# EAGLE board Mk4 Final Panel 8up 4x2 (EAGLE 9.0.1), part 21 of 23 (continued)
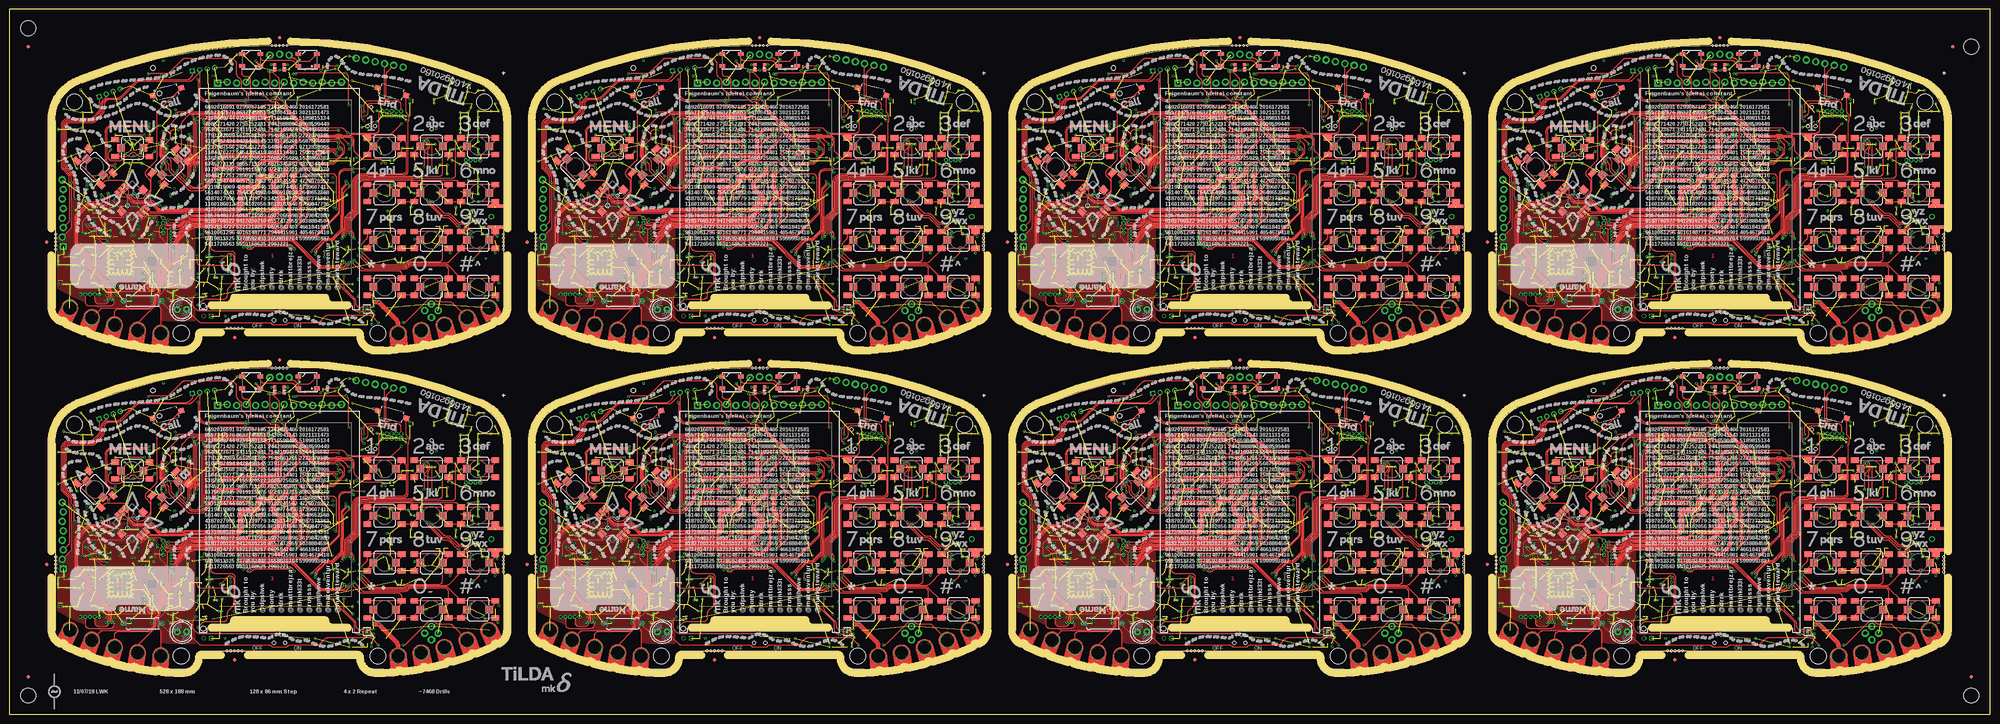
[diagram p0: board, top side]
## Tracks (layer width: path | path; a pad name or v marks a point on that pad's centre or on a via) (continued)
  Bottom 0.15: IC65.55 162.35,121.25 arc-90 163.35,120.25 163.35,118.35 arc45 163.41,118.21 163.47,118.15 arc-45 163.53,118.01 163.53,117.97 v163.75,117.75 R302.1 | IC56.116 203,149.6 arc90 202,148.6 v202,146.5
UART3_CC_RX4  (via drill 0.3)
  Top 0.15: v291.75,31.75 292.46,31.04 arc-45 292.75,30.34 292.75,28.25 arc90 293.75,27.25 293.8,27.25 arc90 294.8,28.25 arc-45 295.24,29.31 295.51,29.58 arc45 295.8,30.29 295.8,31.95 arc-45 296.31,33.19 297.66,34.53 arc45 297.95,35.24 297.95,39.14 arc45 297.66,39.84 296.29,41.21 arc-45 296,41.91 296,43.63 arc-45 296.29,44.33 JP43.3 297.04,45.04 297.48,44.59 arc45 298.19,44.3 300.94,44.3 arc45 301.82,44.67 302.68,45.52 arc-45 304.8,46.4 325.01,46.4 arc45 325.9,46.77 328.11,48.98 arc45 328.4,49.68 328.4,50.19 arc-45 328.55,50.55 328.75,50.75 arc45 328.9,51.11 328.9,51.98 arc45 328.53,52.87 327.1,54.3 arc-90 327.1,55.71 329.45,58.06 arc45 329.6,58.42 329.6,58.43 arc-45 329.75,58.78 arc45 329.82,58.97 329.82,60.12 arc-45 329.97,60.47 v330,60.5
  Bottom 0.15: IC83.55 290.35,35.25 arc-90 291.35,34.25 291.35,32.35 arc45 291.41,32.21 291.47,32.15 arc-45 291.52,32.01 291.52,31.98 v291.75,31.75 R380.1 | IC74.116 331,63.6 arc90 330,62.6 v330,60.5
UART3_CC_RX5  (via drill 0.3)
  Top 0.15: v419.75,31.75 420.46,31.04 arc-45 420.75,30.34 420.75,28.25 arc90 421.75,27.25 421.8,27.25 arc90 422.8,28.25 arc-45 423.24,29.31 423.51,29.58 arc45 423.8,30.29 423.8,31.95 arc-45 424.31,33.19 425.66,34.53 arc45 425.95,35.24 425.95,39.14 arc45 425.66,39.84 424.29,41.21 arc-45 424,41.91 424,43.63 arc-45 424.29,44.33 JP52.3 425.04,45.04 425.48,44.59 arc45 426.19,44.3 428.94,44.3 arc45 429.82,44.67 430.68,45.52 arc-45 432.8,46.4 453.01,46.4 arc45 453.9,46.77 456.11,48.98 arc45 456.4,49.68 456.4,50.19 arc-45 456.55,50.55 456.75,50.75 arc45 456.9,51.11 456.9,51.98 arc45 456.53,52.87 455.1,54.3 arc-90 455.1,55.71 457.45,58.06 arc45 457.6,58.42 457.6,58.43 arc-45 457.75,58.78 arc45 457.82,58.97 457.82,60.12 arc-45 457.97,60.47 v458,60.5
  Bottom 0.15: IC101.55 418.35,35.25 arc-90 419.35,34.25 419.35,32.35 arc45 419.41,32.21 419.47,32.15 arc-45 419.52,32.01 419.52,31.98 v419.75,31.75 R458.1 | IC92.116 459,63.6 arc90 458,62.6 v458,60.5
UART3_CC_RX6  (via drill 0.3)
  Top 0.15: v291.75,117.75 292.46,117.04 arc-45 292.75,116.34 292.75,114.25 arc90 293.75,113.25 293.8,113.25 arc90 294.8,114.25 arc-45 295.24,115.31 295.51,115.58 arc45 295.8,116.29 295.8,117.95 arc-45 296.31,119.19 297.66,120.53 arc45 297.95,121.24 297.95,125.14 arc45 297.66,125.84 296.29,127.21 arc-45 296,127.91 296,129.63 arc-45 296.29,130.33 JP61.3 297.04,131.04 297.48,130.59 arc45 298.19,130.3 300.94,130.3 arc45 301.82,130.67 302.68,131.52 arc-45 304.8,132.4 325.01,132.4 arc45 325.9,132.77 328.11,134.98 arc45 328.4,135.68 328.4,136.19 arc-45 328.55,136.55 328.75,136.75 arc45 328.9,137.11 328.9,137.98 arc45 328.53,138.87 327.1,140.3 arc-90 327.1,141.71 329.45,144.06 arc45 329.6,144.42 329.6,144.43 arc-45 329.75,144.78 arc45 329.82,144.97 329.82,146.12 arc-45 329.97,146.47 v330,146.5
  Bottom 0.15: IC119.55 290.35,121.25 arc-90 291.35,120.25 291.35,118.35 arc45 291.41,118.21 291.47,118.15 arc-45 291.52,118.01 291.52,117.97 v291.75,117.75 R536.1 | IC110.116 331,149.6 arc90 330,148.6 v330,146.5
UART3_CC_RX7  (via drill 0.3)
  Top 0.15: v419.75,117.75 420.46,117.04 arc-45 420.75,116.34 420.75,114.25 arc90 421.75,113.25 421.8,113.25 arc90 422.8,114.25 arc-45 423.24,115.31 423.51,115.58 arc45 423.8,116.29 423.8,117.95 arc-45 424.31,119.19 425.66,120.53 arc45 425.95,121.24 425.95,125.14 arc45 425.66,125.84 424.29,127.21 arc-45 424,127.91 424,129.63 arc-45 424.29,130.33 JP70.3 425.04,131.04 425.48,130.59 arc45 426.19,130.3 428.94,130.3 arc45 429.82,130.67 430.68,131.52 arc-45 432.8,132.4 453.01,132.4 arc45 453.9,132.77 456.11,134.98 arc45 456.4,135.68 456.4,136.19 arc-45 456.55,136.55 456.75,136.75 arc45 456.9,137.11 456.9,137.98 arc45 456.53,138.87 455.1,140.3 arc-90 455.1,141.71 457.45,144.06 arc45 457.6,144.42 457.6,144.43 arc-45 457.75,144.78 arc45 457.82,144.97 457.82,146.12 arc-45 457.97,146.47 v458,146.5
  Bottom 0.15: IC137.55 418.35,121.25 arc-90 419.35,120.25 419.35,118.35 arc45 419.41,118.21 419.47,118.15 arc-45 419.52,118.01 419.52,117.97 v419.75,117.75 R614.1 | IC128.116 459,149.6 arc90 458,148.6 v458,146.5
UART3_CC_TX  (via drill 0.3)
  Top 0.15: v35.75,29.75 36.45,29.05 36.45,28.2 arc90 37.7,26.95 37.85,26.95 arc90 39.1,28.2 arc-45 39.49,29.14 39.73,29.38 arc45 40.1,30.27 40.1,31.62 arc-45 40.76,33.21 41.88,34.33 arc45 42.25,35.22 42.25,43.25 | 42.25,43.25 42.71,43.71 arc-45 43.41,44 44.96,44 arc45 46.02,44.44 46.88,45.3 arc-45 48.82,46.1 69.03,46.1 arc45 70.09,46.54 72.41,48.85 arc45 72.7,49.56 72.7,50.02 arc-45 72.85,50.37 73.05,50.58 arc45 73.2,50.93 73.2,57.09 arc-45 73.41,57.59 73.75,57.94 arc45 73.9,58.29 73.9,58.3 arc-45 74.05,58.66 arc45 74.12,58.84 74.12,59.67 arc-45 74.27,60.02 v74.75,60.5 | JP5.2 41.32,43.77 arc-45 42.02,43.48 42.25,43.25
  Bottom 0.15: IC15.57 arc-90 34.65,33.55 34.65,32.06 arc45 34.71,31.92 34.77,31.86 arc-45 34.83,31.72 34.83,31.09 arc45 35.12,30.38 v35.75,29.75 R69.1 | v74.75,60.5 74.75,62.27 arc-90 75.75,63.27 77.62,63.27 77.69,63.2 IC1.117
UART3_CC_TX1  (via drill 0.3)
  Top 0.15: v163.75,29.75 164.45,29.05 164.45,28.2 arc90 165.7,26.95 165.85,26.95 arc90 167.1,28.2 arc-45 167.49,29.14 167.73,29.38 arc45 168.1,30.27 168.1,31.62 arc-45 168.76,33.21 169.88,34.33 arc45 170.25,35.22 170.25,43.25 | 170.25,43.25 170.71,43.71 arc-45 171.41,44 172.96,44 arc45 174.02,44.44 174.88,45.3 arc-45 176.82,46.1 197.03,46.1 arc45 198.09,46.54 200.41,48.85 arc45 200.7,49.56 200.7,50.02 arc-45 200.85,50.37 201.05,50.58 arc45 201.2,50.93 201.2,57.09 arc-45 201.41,57.59 201.75,57.94 arc45 201.9,58.29 201.9,58.3 arc-45 202.05,58.66 arc45 202.12,58.84 202.12,59.67 arc-45 202.27,60.02 v202.75,60.5 | JP16.2 169.32,43.77 arc-45 170.02,43.48 170.25,43.25
  Bottom 0.15: IC29.57 arc-90 162.65,33.55 162.65,32.06 arc45 162.71,31.92 162.77,31.86 arc-45 162.82,31.72 162.82,31.09 arc45 163.12,30.38 v163.75,29.75 R147.1 | v202.75,60.5 202.75,62.27 arc-90 203.75,63.27 205.62,63.27 205.69,63.2 IC20.117
UART3_CC_TX2  (via drill 0.3)
  Top 0.15: v35.75,115.75 36.45,115.05 36.45,114.2 arc90 37.7,112.95 37.85,112.95 arc90 39.1,114.2 arc-45 39.49,115.14 39.73,115.38 arc45 40.1,116.27 40.1,117.62 arc-45 40.76,119.21 41.88,120.33 arc45 42.25,121.22 42.25,129.25 | 42.25,129.25 42.71,129.71 arc-45 43.41,130 44.96,130 arc45 46.02,130.44 46.88,131.3 arc-45 48.82,132.1 69.03,132.1 arc45 70.09,132.54 72.41,134.85 arc45 72.7,135.56 72.7,136.02 arc-45 72.85,136.37 73.05,136.58 arc45 73.2,136.93 73.2,143.09 arc-45 73.41,143.59 73.75,143.94 arc45 73.9,144.29 73.9,144.3 arc-45 74.05,144.66 arc45 74.12,144.84 74.12,145.67 arc-45 74.27,146.02 v74.75,146.5 | JP25.2 41.32,129.77 arc-45 42.02,129.48 42.25,129.25
  Bottom 0.15: IC47.57 arc-90 34.65,119.55 34.65,118.06 arc45 34.71,117.92 34.77,117.86 arc-45 34.83,117.72 34.83,117.09 arc45 35.12,116.38 v35.75,115.75 R225.1 | v74.75,146.5 74.75,148.28 arc-90 75.75,149.28 77.62,149.28 77.69,149.2 IC38.117
UART3_CC_TX3  (via drill 0.3)
  Top 0.15: v163.75,115.75 164.45,115.05 164.45,114.2 arc90 165.7,112.95 165.85,112.95 arc90 167.1,114.2 arc-45 167.49,115.14 167.73,115.38 arc45 168.1,116.27 168.1,117.62 arc-45 168.76,119.21 169.88,120.33 arc45 170.25,121.22 170.25,129.25 | 170.25,129.25 170.71,129.71 arc-45 171.41,130 172.96,130 arc45 174.02,130.44 174.88,131.3 arc-45 176.82,132.1 197.03,132.1 arc45 198.09,132.54 200.41,134.85 arc45 200.7,135.56 200.7,136.02 arc-45 200.85,136.37 201.05,136.58 arc45 201.2,136.93 201.2,143.09 arc-45 201.41,143.59 201.75,143.94 arc45 201.9,144.29 201.9,144.3 arc-45 202.05,144.66 arc45 202.12,144.84 202.12,145.67 arc-45 202.27,146.02 v202.75,146.5 | JP34.2 169.32,129.77 arc-45 170.02,129.48 170.25,129.25
  Bottom 0.15: IC65.57 arc-90 162.65,119.55 162.65,118.06 arc45 162.71,117.92 162.77,117.86 arc-45 162.82,117.72 162.82,117.09 arc45 163.12,116.38 v163.75,115.75 R303.1 | v202.75,146.5 202.75,148.28 arc-90 203.75,149.28 205.62,149.28 205.69,149.2 IC56.117
UART3_CC_TX4  (via drill 0.3)
  Top 0.15: v291.75,29.75 292.45,29.05 292.45,28.2 arc90 293.7,26.95 293.85,26.95 arc90 295.1,28.2 arc-45 295.49,29.14 295.73,29.38 arc45 296.1,30.27 296.1,31.62 arc-45 296.76,33.21 297.88,34.33 arc45 298.25,35.22 298.25,43.25 | 298.25,43.25 298.71,43.71 arc-45 299.41,44 300.96,44 arc45 302.02,44.44 302.88,45.3 arc-45 304.82,46.1 325.03,46.1 arc45 326.09,46.54 328.41,48.85 arc45 328.7,49.56 328.7,50.02 arc-45 328.85,50.37 329.05,50.58 arc45 329.2,50.93 329.2,57.09 arc-45 329.41,57.59 329.75,57.94 arc45 329.9,58.29 329.9,58.3 arc-45 330.05,58.66 arc45 330.12,58.84 330.12,59.67 arc-45 330.27,60.02 v330.75,60.5 | JP43.2 297.32,43.77 arc-45 298.02,43.48 298.25,43.25
  Bottom 0.15: IC83.57 arc-90 290.65,33.55 290.65,32.06 arc45 290.71,31.92 290.77,31.86 arc-45 290.82,31.72 290.82,31.09 arc45 291.12,30.38 v291.75,29.75 R381.1 | v330.75,60.5 330.75,62.27 arc-90 331.75,63.27 333.62,63.27 333.69,63.2 IC74.117
UART3_CC_TX5  (via drill 0.3)
  Top 0.15: v419.75,29.75 420.45,29.05 420.45,28.2 arc90 421.7,26.95 421.85,26.95 arc90 423.1,28.2 arc-45 423.49,29.14 423.73,29.38 arc45 424.1,30.27 424.1,31.62 arc-45 424.76,33.21 425.88,34.33 arc45 426.25,35.22 426.25,43.25 | 426.25,43.25 426.71,43.71 arc-45 427.41,44 428.96,44 arc45 430.02,44.44 430.88,45.3 arc-45 432.82,46.1 453.03,46.1 arc45 454.09,46.54 456.41,48.85 arc45 456.7,49.56 456.7,50.02 arc-45 456.85,50.37 457.05,50.58 arc45 457.2,50.93 457.2,57.09 arc-45 457.41,57.59 457.75,57.94 arc45 457.9,58.29 457.9,58.3 arc-45 458.05,58.66 arc45 458.12,58.84 458.12,59.67 arc-45 458.27,60.02 v458.75,60.5 | JP52.2 425.32,43.77 arc-45 426.02,43.48 426.25,43.25
  Bottom 0.15: IC101.57 arc-90 418.65,33.55 418.65,32.06 arc45 418.71,31.92 418.77,31.86 arc-45 418.82,31.72 418.82,31.09 arc45 419.12,30.38 v419.75,29.75 R459.1 | v458.75,60.5 458.75,62.27 arc-90 459.75,63.27 461.62,63.27 461.69,63.2 IC92.117
UART3_CC_TX6  (via drill 0.3)
  Top 0.15: v291.75,115.75 292.45,115.05 292.45,114.2 arc90 293.7,112.95 293.85,112.95 arc90 295.1,114.2 arc-45 295.49,115.14 295.73,115.38 arc45 296.1,116.27 296.1,117.62 arc-45 296.76,119.21 297.88,120.33 arc45 298.25,121.22 298.25,129.25 | 298.25,129.25 298.71,129.71 arc-45 299.41,130 300.96,130 arc45 302.02,130.44 302.88,131.3 arc-45 304.82,132.1 325.03,132.1 arc45 326.09,132.54 328.41,134.85 arc45 328.7,135.56 328.7,136.02 arc-45 328.85,136.37 329.05,136.58 arc45 329.2,136.93 329.2,143.09 arc-45 329.41,143.59 329.75,143.94 arc45 329.9,144.29 329.9,144.3 arc-45 330.05,144.66 arc45 330.12,144.84 330.12,145.67 arc-45 330.27,146.02 v330.75,146.5 | JP61.2 297.32,129.77 arc-45 298.02,129.48 298.25,129.25
  Bottom 0.15: IC119.57 arc-90 290.65,119.55 290.65,118.06 arc45 290.71,117.92 290.77,117.86 arc-45 290.82,117.72 290.82,117.09 arc45 291.12,116.38 v291.75,115.75 R537.1 | v330.75,146.5 330.75,148.28 arc-90 331.75,149.28 333.62,149.28 333.69,149.2 IC110.117
UART3_CC_TX7  (via drill 0.3)
  Top 0.15: v419.75,115.75 420.45,115.05 420.45,114.2 arc90 421.7,112.95 421.85,112.95 arc90 423.1,114.2 arc-45 423.49,115.14 423.73,115.38 arc45 424.1,116.27 424.1,117.62 arc-45 424.76,119.21 425.88,120.33 arc45 426.25,121.22 426.25,129.25 | 426.25,129.25 426.71,129.71 arc-45 427.41,130 428.96,130 arc45 430.02,130.44 430.88,131.3 arc-45 432.82,132.1 453.03,132.1 arc45 454.09,132.54 456.41,134.85 arc45 456.7,135.56 456.7,136.02 arc-45 456.85,136.37 457.05,136.58 arc45 457.2,136.93 457.2,143.09 arc-45 457.41,143.59 457.75,143.94 arc45 457.9,144.29 457.9,144.3 arc-45 458.05,144.66 arc45 458.12,144.84 458.12,145.67 arc-45 458.27,146.02 v458.75,146.5 | JP70.2 425.32,129.77 arc-45 426.02,129.48 426.25,129.25
  Bottom 0.15: IC137.57 arc-90 418.65,119.55 418.65,118.06 arc45 418.71,117.92 418.77,117.86 arc-45 418.82,117.72 418.82,117.09 arc45 419.12,116.38 v419.75,115.75 R615.1 | v458.75,146.5 458.75,148.28 arc-90 459.75,149.28 461.62,149.28 461.69,149.2 IC128.117
UART4_EXT_RX  (via drill 0.3)
  Top 0.15: PCB.CH3 28.04,21.1 arc-90 29.04,22.1 36.88,22.1 arc45 37.77,22.47 38.48,23.18 arc45 38.85,24.07 38.85,24.93 arc-45 39.29,25.99 39.73,26.43 arc45 40.1,27.32 40.1,27.86 arc-45 40.47,28.74 arc45 41,30.03 41,31.55 arc-45 41.44,32.61 43.41,34.58 arc45 43.7,35.29 v43.7,37.5 | v71.4,51.7 71.35,51.65 arc45 71.2,51.29 71.2,50.37 arc-45 70.83,49.48 70.42,49.07 arc-45 69.53,48.7 65.61,48.7 arc45 64.91,48.41 63.87,47.37 arc-45 62.98,47 48.76,47 arc45 46.38,46.08 45.8,45.49 arc-45 45.09,45.2 v42.4,45.2
  Top 0.2: J10.1 arc-45 24.1,78.32 24.1,75.51 arc-45 23.81,74.81 22.29,73.29 arc-45 21.59,73 15.75,73 arc90 14,71.25 14,59.91 arc45 14.29,59.21 15.71,57.79 arc-45 16,57.09 v16,55 16,45.87 arc-45 15.71,45.16 JP6.3
  3V3@2 0.15: 28,17.87 PCB.CH3 | v42.4,45.2 42.3,45.2 41.75,45.75 41.75,46.73 40.95,47.53 v40.95,49.35 | v20.7,55 v16,55
  Bottom 0.15: v71.4,51.7 71.32,51.78 arc-45 71.18,52.13 71.18,53.37 arc45 71.03,53.72 70.85,53.9 arc-45 70.7,54.26 70.7,55.26 arc-45 70.99,55.97 71.11,56.08 arc45 71.4,56.79 IC1.18 | v42.4,45.2 arc-45 42.91,44.99 43.71,44.19 arc-45 44,43.49 44,38.21 arc-45 v43.71,37.51 v43.7,37.5 | v20.7,55 32.41,55 arc-45 33.12,54.71 34.71,53.11 arc45 35.95,52.6 38.9,52.6 arc-90 39.9,51.6 39.9,51.03 arc45 40.03,50.73 40.63,50.12 arc-45 v40.95,49.35
  Bottom 0.3: J10.5 J10.1
UART4_EXT_RX1  (via drill 0.3)
  Top 0.15: PCB1.CH3 156.04,21.1 arc-90 157.04,22.1 164.88,22.1 arc45 165.77,22.47 166.48,23.18 arc45 166.85,24.07 166.85,24.93 arc-45 167.29,25.99 167.73,26.43 arc45 168.1,27.32 168.1,27.86 arc-45 168.47,28.74 arc45 169,30.03 169,31.55 arc-45 169.44,32.61 171.41,34.58 arc45 171.7,35.29 v171.7,37.5 | v199.4,51.7 199.35,51.65 arc45 199.2,51.29 199.2,50.37 arc-45 198.83,49.48 198.42,49.07 arc-45 197.53,48.7 193.61,48.7 arc45 192.91,48.41 191.87,47.37 arc-45 190.98,47 176.76,47 arc45 174.38,46.08 173.8,45.49 arc-45 173.09,45.2 v170.4,45.2
  Top 0.2: J16.1 arc-45 152.1,78.32 152.1,75.51 arc-45 151.81,74.81 150.29,73.29 arc-45 149.59,73 143.75,73 arc90 142,71.25 142,59.91 arc45 142.29,59.21 143.71,57.79 arc-45 144,57.09 v144,55 144,45.87 arc-45 143.71,45.16 JP17.3
  3V3@2 0.15: 156,17.87 PCB1.CH3 | v170.4,45.2 170.3,45.2 169.75,45.75 169.75,46.73 168.95,47.53 v168.95,49.35 | v148.7,55 v144,55
  Bottom 0.15: v199.4,51.7 199.32,51.78 arc-45 199.18,52.13 199.18,53.37 arc45 199.03,53.72 198.85,53.9 arc-45 198.7,54.26 198.7,55.26 arc-45 198.99,55.97 199.11,56.08 arc45 199.4,56.79 IC20.18 | v170.4,45.2 arc-45 170.91,44.99 171.71,44.19 arc-45 172,43.49 172,38.21 arc-45 v171.71,37.51 v171.7,37.5 | v148.7,55 160.41,55 arc-45 161.12,54.71 162.71,53.11 arc45 163.95,52.6 166.9,52.6 arc-90 167.9,51.6 167.9,51.03 arc45 168.03,50.73 168.63,50.12 arc-45 v168.95,49.35
  Bottom 0.3: J16.5 J16.1
UART4_EXT_RX2  (via drill 0.3)
  Top 0.15: PCB2.CH3 28.04,107.1 arc-90 29.04,108.1 36.88,108.1 arc45 37.77,108.47 38.48,109.18 arc45 38.85,110.07 38.85,110.93 arc-45 39.29,111.99 39.73,112.43 arc45 40.1,113.32 40.1,113.86 arc-45 40.47,114.74 arc45 41,116.03 41,117.55 arc-45 41.44,118.61 43.41,120.58 arc45 43.7,121.29 v43.7,123.5 | v71.4,137.7 71.35,137.65 arc45 71.2,137.29 71.2,136.37 arc-45 70.83,135.48 70.42,135.07 arc-45 69.53,134.7 65.61,134.7 arc45 64.91,134.41 63.87,133.37 arc-45 62.98,133 48.76,133 arc45 46.38,132.07 45.8,131.49 arc-45 45.09,131.2 v42.4,131.2
  Top 0.2: J26.1 arc-45 24.1,164.32 24.1,161.51 arc-45 23.81,160.81 22.29,159.29 arc-45 21.59,159 15.75,159 arc90 14,157.25 14,145.91 arc45 14.29,145.21 15.71,143.79 arc-45 16,143.09 v16,141 16,131.87 arc-45 15.71,131.16 JP26.3
  3V3@2 0.15: 28,103.87 PCB2.CH3 | v42.4,131.2 42.3,131.2 41.75,131.75 41.75,132.73 40.95,133.53 v40.95,135.35 | v20.7,141 v16,141
  Bottom 0.15: v71.4,137.7 71.32,137.78 arc-45 71.18,138.13 71.18,139.37 arc45 71.03,139.72 70.85,139.9 arc-45 70.7,140.26 70.7,141.26 arc-45 70.99,141.97 71.11,142.08 arc45 71.4,142.79 IC38.18 | v42.4,131.2 arc-45 42.91,130.99 43.71,130.19 arc-45 44,129.49 44,124.21 arc-45 v43.71,123.51 v43.7,123.5 | v20.7,141 32.41,141 arc-45 33.12,140.71 34.71,139.11 arc45 35.95,138.6 38.9,138.6 arc-90 39.9,137.6 39.9,137.03 arc45 40.03,136.73 40.63,136.12 arc-45 v40.95,135.35
  Bottom 0.3: J26.5 J26.1
UART4_EXT_RX3  (via drill 0.3)
  Top 0.15: PCB3.CH3 156.04,107.1 arc-90 157.04,108.1 164.88,108.1 arc45 165.77,108.47 166.48,109.18 arc45 166.85,110.07 166.85,110.93 arc-45 167.29,111.99 167.73,112.43 arc45 168.1,113.32 168.1,113.86 arc-45 168.47,114.74 arc45 169,116.03 169,117.55 arc-45 169.44,118.61 171.41,120.58 arc45 171.7,121.29 v171.7,123.5 | v199.4,137.7 199.35,137.65 arc45 199.2,137.29 199.2,136.37 arc-45 198.83,135.48 198.42,135.07 arc-45 197.53,134.7 193.61,134.7 arc45 192.91,134.41 191.87,133.37 arc-45 190.98,133 176.76,133 arc45 174.38,132.07 173.8,131.49 arc-45 173.09,131.2 v170.4,131.2
  Top 0.2: J36.1 arc-45 152.1,164.32 152.1,161.51 arc-45 151.81,160.81 150.29,159.29 arc-45 149.59,159 143.75,159 arc90 142,157.25 142,145.91 arc45 142.29,145.21 143.71,143.79 arc-45 144,143.09 v144,141 144,131.87 arc-45 143.71,131.16 JP35.3
  3V3@2 0.15: 156,103.87 PCB3.CH3 | v170.4,131.2 170.3,131.2 169.75,131.75 169.75,132.73 168.95,133.53 v168.95,135.35 | v148.7,141 v144,141
  Bottom 0.15: v199.4,137.7 199.32,137.78 arc-45 199.18,138.13 199.18,139.37 arc45 199.03,139.72 198.85,139.9 arc-45 198.7,140.26 198.7,141.26 arc-45 198.99,141.97 199.11,142.08 arc45 199.4,142.79 IC56.18 | v170.4,131.2 arc-45 170.91,130.99 171.71,130.19 arc-45 172,129.49 172,124.21 arc-45 v171.71,123.51 v171.7,123.5 | v148.7,141 160.41,141 arc-45 161.12,140.71 162.71,139.11 arc45 163.95,138.6 166.9,138.6 arc-90 167.9,137.6 167.9,137.03 arc45 168.03,136.73 168.63,136.12 arc-45 v168.95,135.35
  Bottom 0.3: J36.5 J36.1
UART4_EXT_RX4  (via drill 0.3)
  Top 0.15: PCB4.CH3 284.04,21.1 arc-90 285.04,22.1 292.88,22.1 arc45 293.77,22.47 294.48,23.18 arc45 294.85,24.07 294.85,24.93 arc-45 295.29,25.99 295.73,26.43 arc45 296.1,27.32 296.1,27.86 arc-45 296.47,28.74 arc45 297,30.03 297,31.55 arc-45 297.44,32.61 299.41,34.58 arc45 299.7,35.29 v299.7,37.5 | v327.4,51.7 327.35,51.65 arc45 327.2,51.29 327.2,50.37 arc-45 326.83,49.48 326.42,49.07 arc-45 325.53,48.7 321.61,48.7 arc45 320.91,48.41 319.87,47.37 arc-45 318.98,47 304.76,47 arc45 302.38,46.08 301.8,45.49 arc-45 301.1,45.2 v298.4,45.2
  Top 0.2: J46.1 arc-45 280.1,78.32 280.1,75.51 arc-45 279.81,74.81 278.29,73.29 arc-45 277.59,73 271.75,73 arc90 270,71.25 270,59.91 arc45 270.29,59.21 271.71,57.79 arc-45 272,57.09 v272,55 272,45.87 arc-45 271.71,45.16 JP44.3
  3V3@2 0.15: 284,17.87 PCB4.CH3 | v298.4,45.2 298.3,45.2 297.75,45.75 297.75,46.73 296.95,47.53 v296.95,49.35 | v276.7,55 v272,55
  Bottom 0.15: v327.4,51.7 327.32,51.78 arc-45 327.18,52.13 327.18,53.37 arc45 327.03,53.72 326.85,53.9 arc-45 326.7,54.26 326.7,55.26 arc-45 326.99,55.97 327.11,56.08 arc45 327.4,56.79 IC74.18 | v298.4,45.2 arc-45 298.91,44.99 299.71,44.19 arc-45 300,43.49 300,38.21 arc-45 v299.71,37.51 v299.7,37.5 | v276.7,55 288.41,55 arc-45 289.12,54.71 290.71,53.11 arc45 291.95,52.6 294.9,52.6 arc-90 295.9,51.6 295.9,51.03 arc45 296.03,50.73 296.63,50.12 arc-45 v296.95,49.35
  Bottom 0.3: J46.5 J46.1
UART4_EXT_RX5  (via drill 0.3)
  Top 0.15: PCB5.CH3 412.04,21.1 arc-90 413.04,22.1 420.88,22.1 arc45 421.77,22.47 422.48,23.18 arc45 422.85,24.07 422.85,24.93 arc-45 423.29,25.99 423.73,26.43 arc45 424.1,27.32 424.1,27.86 arc-45 424.47,28.74 arc45 425,30.03 425,31.55 arc-45 425.44,32.61 427.41,34.58 arc45 427.7,35.29 v427.7,37.5 | v455.4,51.7 455.35,51.65 arc45 455.2,51.29 455.2,50.37 arc-45 454.83,49.48 454.42,49.07 arc-45 453.53,48.7 449.61,48.7 arc45 448.91,48.41 447.87,47.37 arc-45 446.98,47 432.76,47 arc45 430.38,46.08 429.8,45.49 arc-45 429.1,45.2 v426.4,45.2
  Top 0.2: J56.1 arc-45 408.1,78.32 408.1,75.51 arc-45 407.81,74.81 406.29,73.29 arc-45 405.59,73 399.75,73 arc90 398,71.25 398,59.91 arc45 398.29,59.21 399.71,57.79 arc-45 400,57.09 v400,55 400,45.87 arc-45 399.71,45.16 JP53.3
  3V3@2 0.15: 412,17.87 PCB5.CH3 | v426.4,45.2 426.3,45.2 425.75,45.75 425.75,46.73 424.95,47.53 v424.95,49.35 | v404.7,55 v400,55
  Bottom 0.15: v455.4,51.7 455.32,51.78 arc-45 455.18,52.13 455.18,53.37 arc45 455.03,53.72 454.85,53.9 arc-45 454.7,54.26 454.7,55.26 arc-45 454.99,55.97 455.11,56.08 arc45 455.4,56.79 IC92.18 | v426.4,45.2 arc-45 426.91,44.99 427.71,44.19 arc-45 428,43.49 428,38.21 arc-45 v427.71,37.51 v427.7,37.5 | v404.7,55 416.41,55 arc-45 417.12,54.71 418.71,53.11 arc45 419.95,52.6 422.9,52.6 arc-90 423.9,51.6 423.9,51.03 arc45 424.03,50.73 424.63,50.12 arc-45 v424.95,49.35
  Bottom 0.3: J56.5 J56.1
UART4_EXT_RX6  (via drill 0.3)
  Top 0.15: PCB6.CH3 284.04,107.1 arc-90 285.04,108.1 292.88,108.1 arc45 293.77,108.47 294.48,109.18 arc45 294.85,110.07 294.85,110.93 arc-45 295.29,111.99 295.73,112.43 arc45 296.1,113.32 296.1,113.86 arc-45 296.47,114.74 arc45 297,116.03 297,117.55 arc-45 297.44,118.61 299.41,120.58 arc45 299.7,121.29 v299.7,123.5 | v327.4,137.7 327.35,137.65 arc45 327.2,137.29 327.2,136.37 arc-45 326.83,135.48 326.42,135.07 arc-45 325.53,134.7 321.61,134.7 arc45 320.91,134.41 319.87,133.37 arc-45 318.98,133 304.76,133 arc45 302.38,132.07 301.8,131.49 arc-45 301.1,131.2 v298.4,131.2
  Top 0.2: J66.1 arc-45 280.1,164.32 280.1,161.51 arc-45 279.81,160.81 278.29,159.29 arc-45 277.59,159 271.75,159 arc90 270,157.25 270,145.91 arc45 270.29,145.21 271.71,143.79 arc-45 272,143.09 v272,141 272,131.87 arc-45 271.71,131.16 JP62.3
  3V3@2 0.15: 284,103.87 PCB6.CH3 | v298.4,131.2 298.3,131.2 297.75,131.75 297.75,132.73 296.95,133.53 v296.95,135.35 | v276.7,141 v272,141
  Bottom 0.15: v327.4,137.7 327.32,137.78 arc-45 327.18,138.13 327.18,139.37 arc45 327.03,139.72 326.85,139.9 arc-45 326.7,140.26 326.7,141.26 arc-45 326.99,141.97 327.11,142.08 arc45 327.4,142.79 IC110.18 | v298.4,131.2 arc-45 298.91,130.99 299.71,130.19 arc-45 300,129.49 300,124.21 arc-45 v299.71,123.51 v299.7,123.5 | v276.7,141 288.41,141 arc-45 289.12,140.71 290.71,139.11 arc45 291.95,138.6 294.9,138.6 arc-90 295.9,137.6 295.9,137.03 arc45 296.03,136.73 296.63,136.12 arc-45 v296.95,135.35
  Bottom 0.3: J66.5 J66.1
UART4_EXT_RX7  (via drill 0.3)
  Top 0.15: PCB7.CH3 412.04,107.1 arc-90 413.04,108.1 420.88,108.1 arc45 421.77,108.47 422.48,109.18 arc45 422.85,110.07 422.85,110.93 arc-45 423.29,111.99 423.73,112.43 arc45 424.1,113.32 424.1,113.86 arc-45 424.47,114.74 arc45 425,116.03 425,117.55 arc-45 425.44,118.61 427.41,120.58 arc45 427.7,121.29 v427.7,123.5 | v455.4,137.7 455.35,137.65 arc45 455.2,137.29 455.2,136.37 arc-45 454.83,135.48 454.42,135.07 arc-45 453.53,134.7 449.61,134.7 arc45 448.91,134.41 447.87,133.37 arc-45 446.98,133 432.76,133 arc45 430.38,132.07 429.8,131.49 arc-45 429.1,131.2 v426.4,131.2
  Top 0.2: J76.1 arc-45 408.1,164.32 408.1,161.51 arc-45 407.81,160.81 406.29,159.29 arc-45 405.59,159 399.75,159 arc90 398,157.25 398,145.91 arc45 398.29,145.21 399.71,143.79 arc-45 400,143.09 v400,141 400,131.87 arc-45 399.71,131.16 JP71.3
  3V3@2 0.15: 412,103.87 PCB7.CH3 | v426.4,131.2 426.3,131.2 425.75,131.75 425.75,132.73 424.95,133.53 v424.95,135.35 | v404.7,141 v400,141
  Bottom 0.15: v455.4,137.7 455.32,137.78 arc-45 455.18,138.13 455.18,139.37 arc45 455.03,139.72 454.85,139.9 arc-45 454.7,140.26 454.7,141.26 arc-45 454.99,141.97 455.11,142.08 arc45 455.4,142.79 IC128.18 | v426.4,131.2 arc-45 426.91,130.99 427.71,130.19 arc-45 428,129.49 428,124.21 arc-45 v427.71,123.51 v427.7,123.5 | v404.7,141 416.41,141 arc-45 417.12,140.71 418.71,139.11 arc45 419.95,138.6 422.9,138.6 arc-90 423.9,137.6 423.9,137.03 arc45 424.03,136.73 424.63,136.12 arc-45 v424.95,135.35
  Bottom 0.3: J76.5 J76.1
UART4_EXT_TX  (via drill 0.3)
  Top 0.15: PCB.CH4 24.29,22.11 arc-45 25,22.4 36.86,22.4 arc45 37.57,22.69 38.26,23.38 arc45 38.55,24.09 38.55,24.95 arc-45 39.06,26.19 39.51,26.63 arc45 39.8,27.34 39.8,27.88 arc-45 40.24,28.94 arc45 40.7,30.05 40.7,31.57 arc-45 41.21,32.81 42.39,33.99 arc45 42.9,35.23 42.9,37.39 arc-45 v43.19,38.09 v43.2,38.1 | v70.65,51.7 70.75,51.6 arc-45 70.9,51.24 70.9,50.39 arc-45 70.61,49.68 70.22,49.29 arc-45 69.51,49 65.57,49 arc45 64.68,48.63 63.64,47.59 arc-45 62.94,47.3 48.74,47.3 arc45 46.19,46.3 46.18,46.29 arc-45 45.47,46 v42.4,46
  Top 0.2: J10.2 25.81,79.03 arc-45 25.52,78.32 24.94,77.74 arc45 24.5,76.68 24.5,75.42 arc-45 24.13,74.53 22.57,72.97 arc-45 21.68,72.6 15.9,72.6 arc90 14.4,71.1 14.4,60.06 arc45 14.69,59.36 16.26,57.79 arc-45 16.55,57.09 v16.55,55.8 16.55,44.13 arc-45 16.26,43.42 JP6.2
  3V3@2 0.15: v20.7,55.8 v16.55,55.8 | v41.7,49.35 41.7,47.3 42.4,46.6 v42.4,46